# Altium PCB unisat_trx_board.PcbDoc (part 1 of 2)
Units mm, origin at the board's own origin, x right, y up, seen from the top; angles counter-clockwise.
Board outline 34.2 x 71.2 mm, 4 copper layers (Top Layer, Ground Plane, Power Plane, Bottom Layer), stack 0.97 mm thick; 102 components, 80 nets, 454 pads, 223 vias.
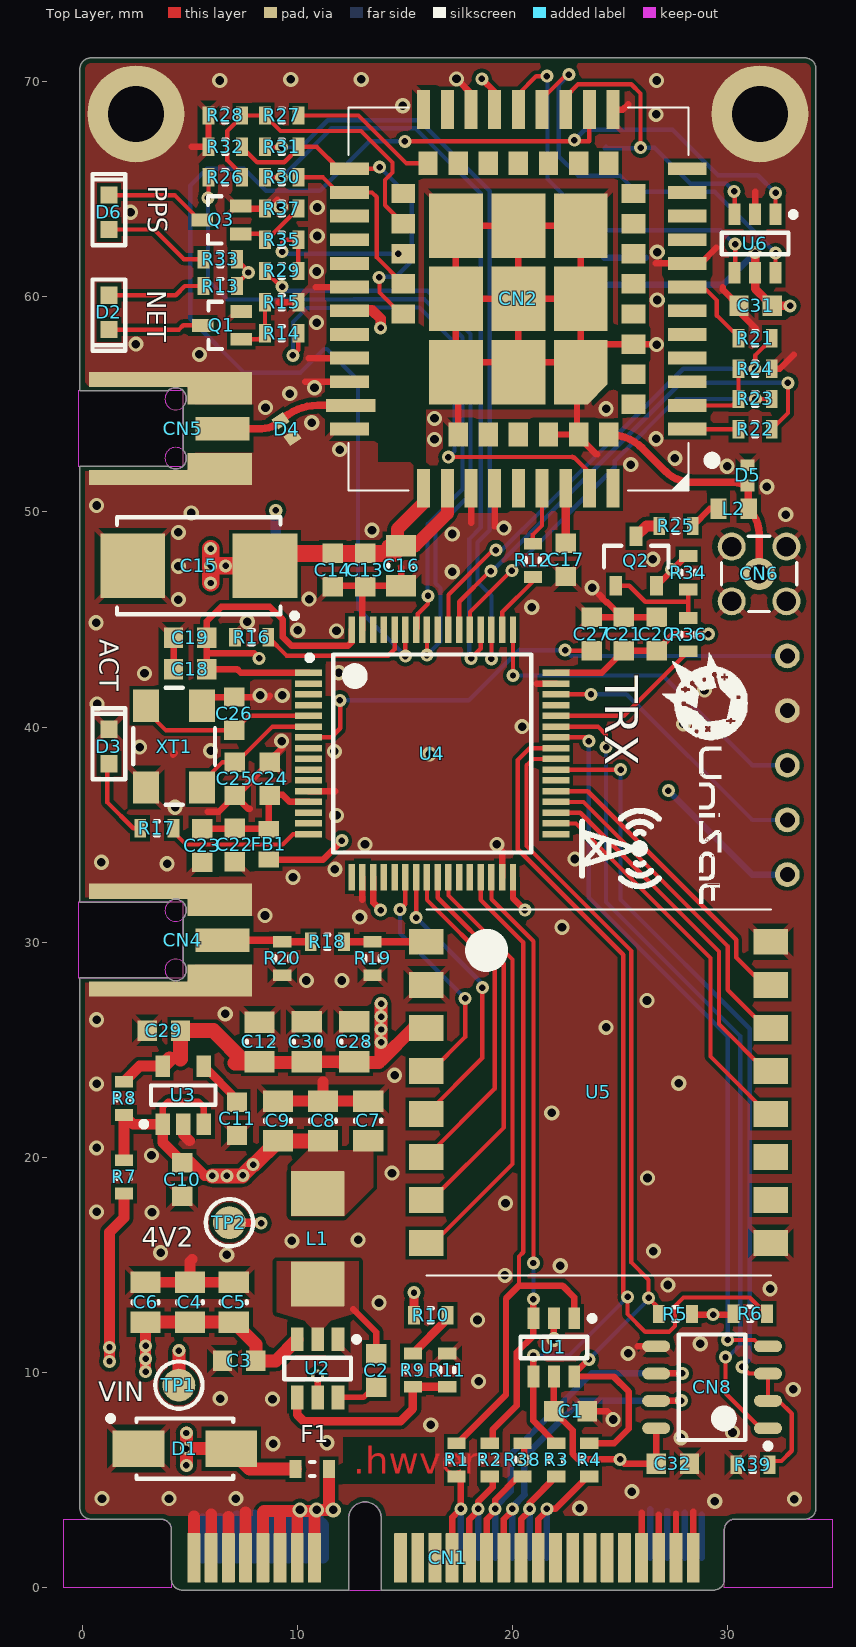
[diagram p0: Top Layer view]
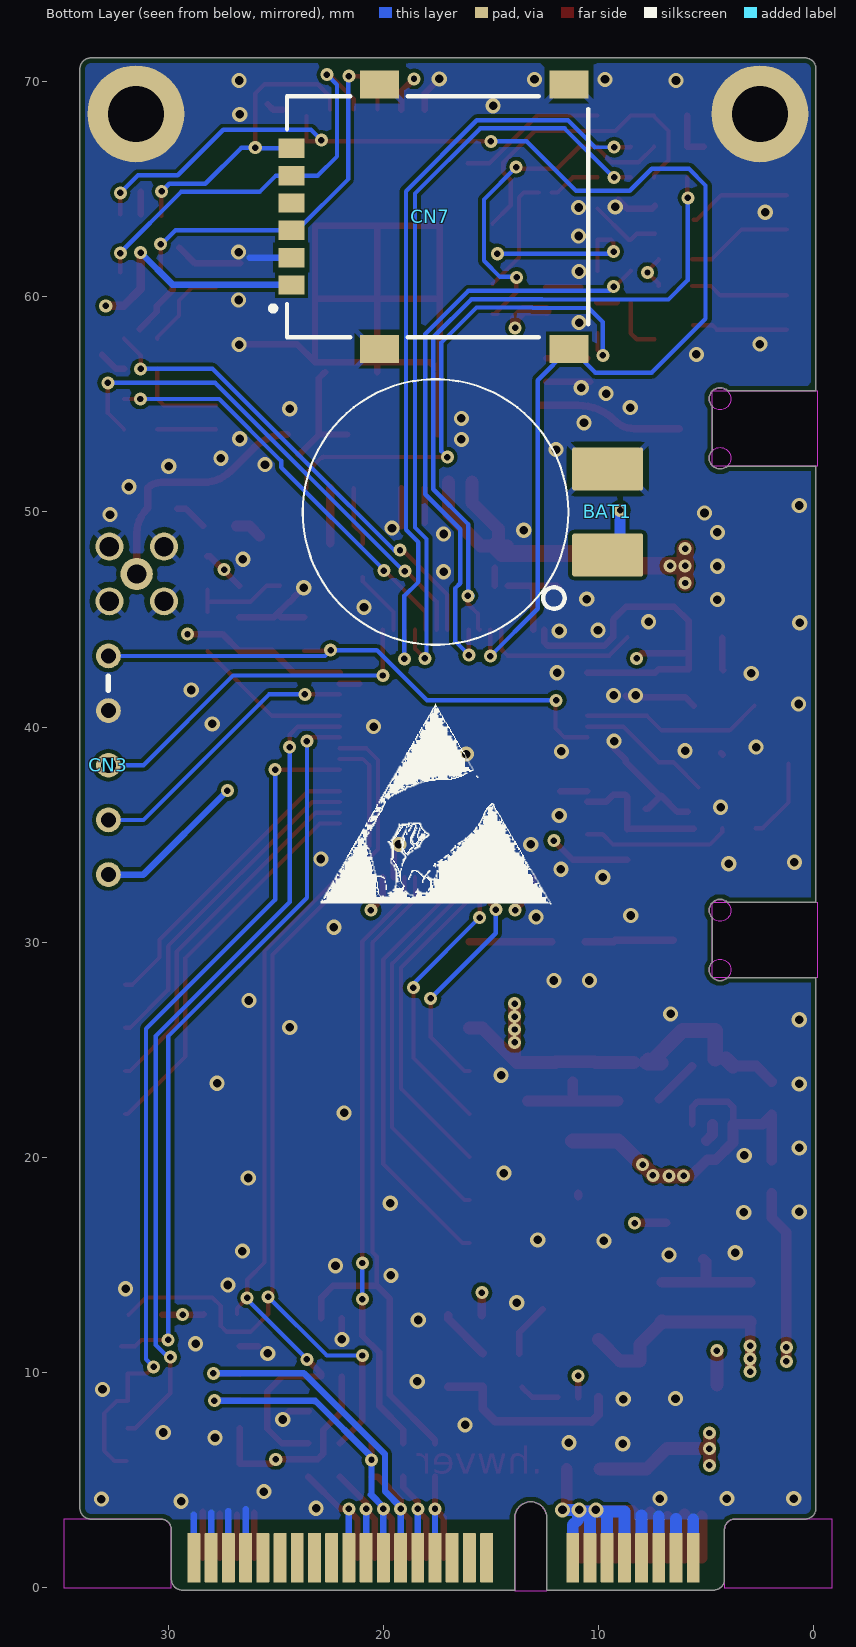
[diagram p1: Bottom Layer view, seen from below]
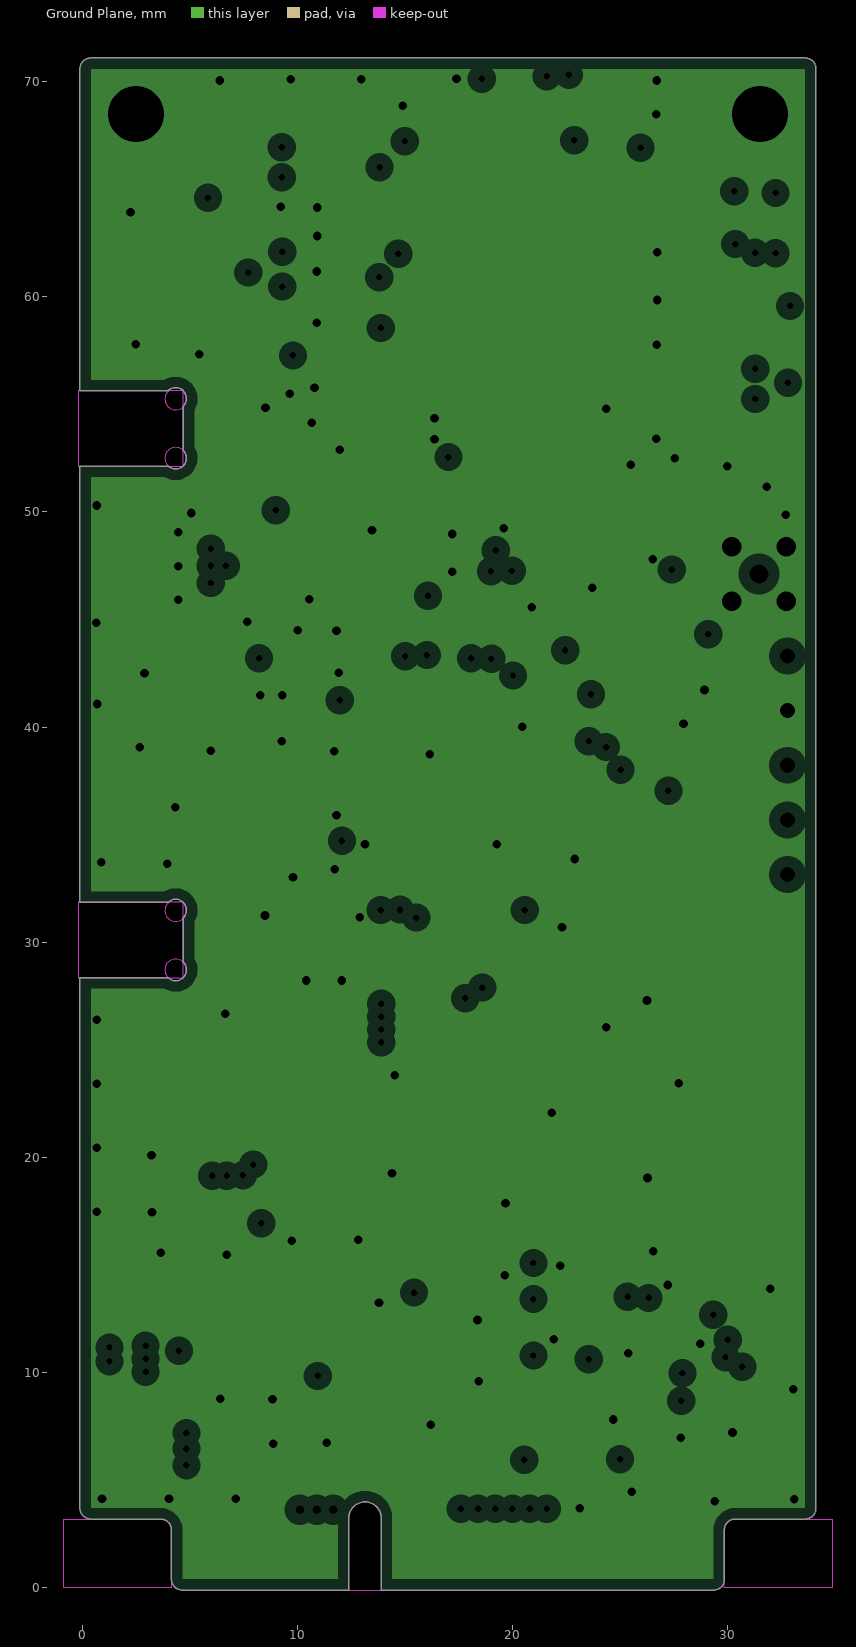
[diagram p2: Ground Plane, clearances drawn from the general rule]
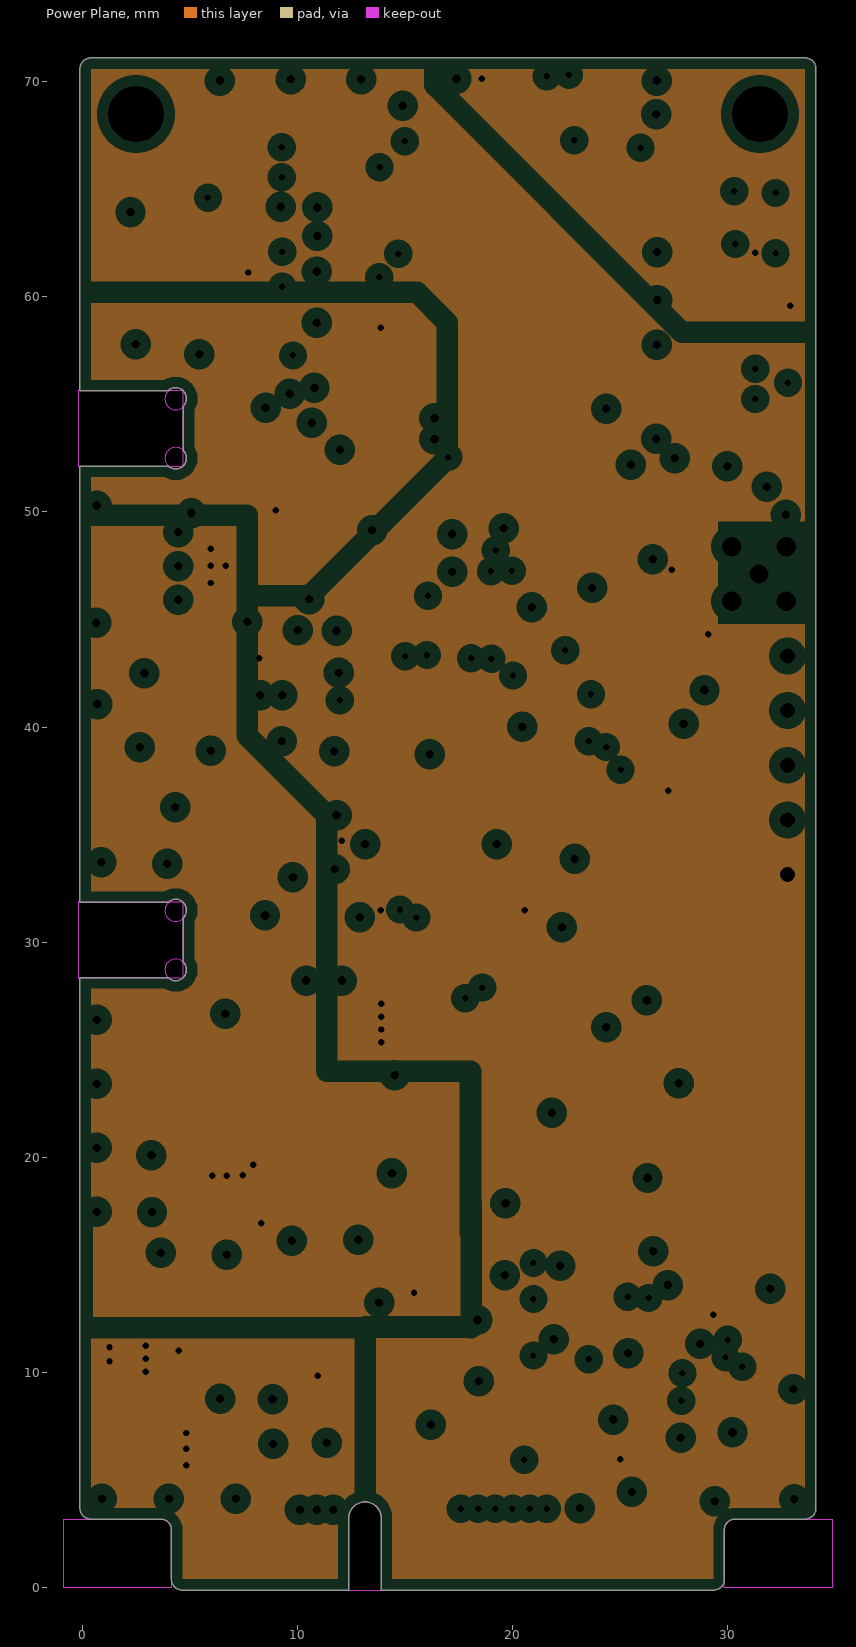
[diagram p3: Power Plane, clearances drawn from the general rule]
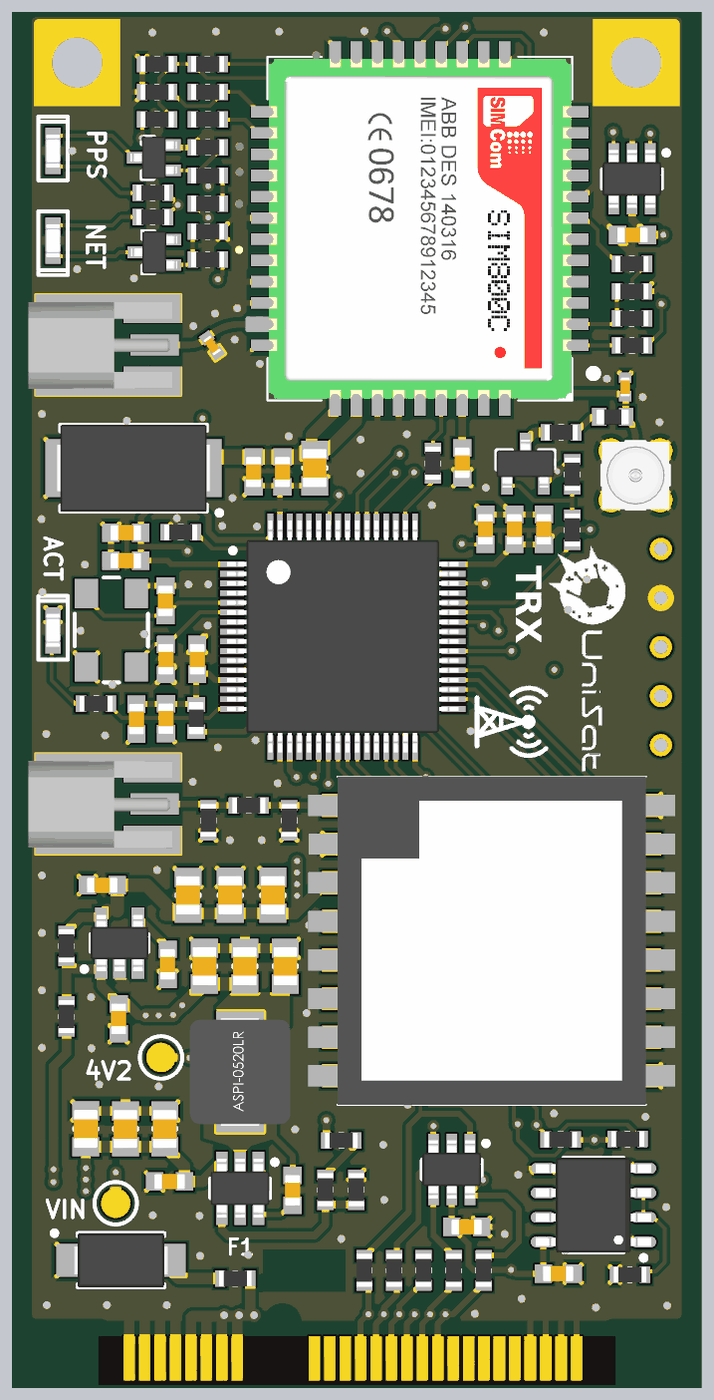
[diagram p5: 3D render of the assembled board from above, using the file's embedded part models]

## Layer stack, top to bottom
Top Solder: solder mask 0.0102, Solder Resist, Dk 3.5
Top Layer: signal copper 0.035
Dielectric 1: core 0.2, FR-4, Dk 4.6
Ground Plane: plane copper 0.0175, net GND
Dielectric 3: prepreg 0.465, Dk 4.6
Power Plane: plane copper 0.0175, net (Multiple Nets)
Dielectric 4: core 0.2, Dk 4.6
Bottom Layer: signal copper 0.035
Bottom Solder: solder mask 0.0102, Solder Resist, Dk 3.5

## Board outline
0.4,3.2 cw(c0.4,3.7) -0.1,3.7 -0.1,3.695 -0.1,28.357 4.012,28.357 4.067,28.301 4.251,28.225 4.449,28.225 4.633,28.301 4.688,28.357 4.705,28.373 4.774,28.442 4.85,28.626 4.85,28.825 4.774,29.009 4.705,29.077 4.705,31.147 4.774,31.216 4.85,31.4 4.85,31.599 4.774,31.783 4.705,31.852 4.7,31.857 4.633,31.923 4.449,31.999 4.251,31.999 4.067,31.923 4,31.857 -0.1,31.857 -0.1,52.132 4.012,52.132 4.067,52.076 4.251,52 4.449,52 4.633,52.076 4.688,52.132 4.705,52.148 4.774,52.217 4.85,52.401 4.85,52.6 4.774,52.783 4.705,52.852 4.705,54.922 4.774,54.991 4.85,55.175 4.85,55.374 4.774,55.558 4.705,55.627 4.7,55.632 4.633,55.698 4.449,55.774 4.251,55.774 4.067,55.698 4,55.632 -0.1,55.632 -0.1,70.6 cw(c0.4,70.6) 0.4,71.1 33.6,71.1 cw(c33.6,70.6) 34.1,70.6 34.1,3.7 cw(c33.6,3.7) 33.6,3.2 30.35,3.2 ccw(c30.35,2.7) 29.85,2.7 29.85,0.41 29.85,0.4 cw(c29.35,0.4) 29.35,-0.1 29.362,-0.1 13.9,-0.1 13.9,3.25 ccw(c13.15,3.25) 12.4,3.25 12.4,-0.1 4.67,-0.1 4.65,-0.1 cw(c4.65,0.4) 4.15,0.4 4.15,2.7 ccw(c3.65,2.7) 3.65,3.2

## Design rules (kind name [scope] priority, off if disabled: settings)
BoardOutlineClearance BoardOutlineClearance_RF_CONN [HasFootprint('MMCX_EDGE')] p1: gap=0.01
BoardOutlineClearance BoardOutlineClearance_RF_CONN_1 [IsTrack and OnLayer('Power Plane')] p2: gap=-1
BoardOutlineClearance BoardOutlineClearance_ALL [All] p3: gap=0.24
Clearance [InNetClass('RF50')] p1: gap=0.2
Clearance Clearance_MMCX [HasFootprint('MMCX_EDGE') vs IsRegion] p2: gap=0.05
Clearance Clearance_ALL [All] p3: gap=0.175
ComponentClearance ComponentClearance_RF_RES [InComponent('R19') OR InComponent('R20') vs InComponent('R19') OR InComponent('R20')] p1: gap=-1 collisioncheckmode=3 verticalgap=2540 showdistances=FALSE
ComponentClearance ComponentClearance_EDGE [InComponent('CN1') vs InComponent('D3') OR InComponent('U5') OR  HasFootprint('TestPoint_1M0') OR  InComponent('F1')] p2: gap=-1 collisioncheckmode=3 verticalgap=2540 showdistances=FALSE
ComponentClearance ComponentClearance_ALL [All] p3: gap=0.2 collisioncheckmode=3 verticalgap=0.3 showdistances=FALSE
HoleSize [All] p1: absolutevalues=TRUE maxlimit=6.2 minlimit=0.3 maxpercent=80.000 minpercent=20.000
MinimumAnnularRing [All] p1: minimumring=0.15
MinimumSolderMaskSliver [All] p1: minsoldermaskwidth=0.1
PlaneClearance [All] p1: clearance=0.508
PlaneConnect [All] p1: planeconnectstyle=Direct reliefexpansion=0.508 reliefentries=4 reliefconductorwidth=0.254 reliefairgap=0.254
PolygonConnect PolygonConnect_RF [InComponent('CN3') or InComponent('CN4') or InComponent('CN5') or InComponent('D4') vs InNet('GND')] p1: connectstyle=Direct reliefconductorwidth=0.254 reliefentries=4 polygonreliefangle="45 Angle" airgapwidth=0.254
PolygonConnect PolygonConnect_MNT [IsPad and (HoleSize > 2.5) vs InNet('GND')] p2: connectstyle=Direct reliefconductorwidth=0.254 reliefentries=4 polygonreliefangle="45 Angle" airgapwidth=0.254
PolygonConnect PolygonConnect_VIA [InNet('GND') AND IsVia] p3: connectstyle=Direct reliefconductorwidth=0.254 reliefentries=4 polygonreliefangle="45 Angle" airgapwidth=0.254
PolygonConnect PolygonConnect_VIA_1 [InNet('NETC2_1') OR InNet('+4V2')] p4: connectstyle=Direct reliefconductorwidth=0.254 reliefentries=4 polygonreliefangle="45 Angle" airgapwidth=0.254
PolygonConnect PolygonConnect_all [All] p5: connectstyle=Relief reliefconductorwidth=0.254 reliefentries=4 polygonreliefangle="45 Angle" airgapwidth=0.254
RoomDefinition SIM [InComponentClass('SIM')] p1 off: confinementstyle=ConfineIn formatcopy=TRUE lockcomponents=FALSE outline -8.925,-24.5 -6.425,-24.5 -6.425,-17.75 -8.925,-17.75
RoomDefinition RS [InComponentClass('RS')] p2 off: confinementstyle=ConfineIn formatcopy=TRUE lockcomponents=FALSE outline -5.675,-24.5 -3.175,-24.5 -3.175,-17.75 -5.675,-17.75
RoomDefinition RF [InComponentClass('RF')] p3 off: confinementstyle=ConfineIn formatcopy=TRUE lockcomponents=FALSE outline -12.175,-24.5 -9.675,-24.5 -9.675,-17.75 -12.175,-17.75
RoomDefinition PWR [InComponentClass('PWR')] p4 off: confinementstyle=ConfineIn formatcopy=TRUE lockcomponents=FALSE outline -18.675,-24.5 -15.925,-24.5 -15.925,-17.75 -18.675,-17.75
RoomDefinition MCU [InComponentClass('MCU')] p5 off: confinementstyle=ConfineIn formatcopy=TRUE lockcomponents=FALSE outline -15.425,-24.4 -12.675,-24.4 -12.675,-17.75 -15.425,-17.75
RoomDefinition 00_Main [InComponentClass('00_Main')] p6 off: confinementstyle=ConfineIn formatcopy=TRUE lockcomponents=FALSE outline -22.425,-24.5 -19.425,-24.5 -19.425,-17.75 -22.425,-17.75
RoutingVias [All] p1: holewidth=0.3 width=0.605 viastyle="Through Hole" minholewidth=0.3 minwidth=0.605 maxholewidth=2 maxwidth=1
SilkToSilkClearance SilkToSilkClearance_Text [All vs IsObjectKind('Text')] p1: silktosilkclearance=0.152
SilkToSilkClearance SilkToSilkClearance_1 [All] p2: silktosilkclearance=0
SilkToSolderMaskClearance [IsPad] p1: minsilkscreentomaskgap=0.152 clearancetoexposedcopper=TRUE
SolderMaskExpansion [All] p1: expansion=0.102
Width Width_RF [InNetClass('RF50')] p1: maxlimit=0.348 minlimit=0.348 preferedwidth=0.348
Width [All] p2: maxlimit=10 minlimit=0.152 preferedwidth=0.3
23 further rules are at their usual default settings.

## Classes and differential pairs
net class RF50: NetCN2_32 NetCN2_68 NetCN4_2 NetR18_1
component class SIM: C31 CN5 CN6 CN7 D4 D5 D6 L2 Q2 Q3 R21 R22 R23 R24 R25 R26 R27 R28 R29 R30 R31 R32 R33 R34 R35 R36 R37 U6
component class RS: C32 CN8 R38 R39
component class RF: C28 C29 C30 CN4 R18 R19 R20 U5
component class PWR: BAT1 C2 C3 C4 C5 C6 C7 C8 C9 C10 C11 C12 C13 C14 C15 C16 C17 C18 C19 C20 C21 C22 C23 C24 CN2 D2 FB1 L1 Q1 R7 R8 R9 R10 R11 R12 R13 R14 R15 TP1 TP2 U2 U3 U4
component class MCU: C25 C26 C27 CN3 D3 R16 R17 XT1
component class 00_Main: C1 CN1 D1 F1 R1 R2 R3 R4 R5 R6 U1

## Components (designator, comment, footprint, x,y, rotation, side; value= is the part's Value field where it differs from the comment)
BAT1 "17mAh" ML1220 17.575,50 r180 bottom locked
C1 "100n" C0603_IPC_MD 22.7,8.2 r0 top
C2 "100n" C0603_IPC_MD 13.675,10.1 r270 top
C3 "100n" C0603_IPC_MD 7.3,10.55 r180 top
C4 "10u" C0805_IPC_MD 5.01,13.275 r270 top
C5 "10u" C0805_IPC_MD 7.05,13.275 r270 top
C6 "22u" C0805_IPC_MD 2.95,13.279 r90 top
C7 "22u" C0805_IPC_MD 13.3,21.7 r90 top
C8 "22u" C0805_IPC_MD 11.2,21.7 r90 top
C9 "22u" C0805_IPC_MD 9.1,21.7 r90 top
C10 "100n" C0603_IPC_MD 4.65,18.975 r270 top
C11 "10n" C0603_IPC_MD 7.2,21.8 r90 top
C12 "10u" C0805_IPC_MD 8.25,25.371 r270 top
C13 "100n" C0603_IPC_MD 13.15,47.3 r90 top
C14 "100n" C0603_IPC_MD 11.65,47.3 r90 top
C15 "220u" TANT_CAP_7343 5.425,47.5 r180 top
C16 "22u" C0805_IPC_MD 14.825,47.5 r270 top
C17 "1u" C0603_IPC_MD 22.475,47.775 r90 top
C18 "100n" C0603_IPC_MD 5.025,42.7 r0 top
C19 "1u" C0603_IPC_MD 5.025,44.15 r0 top
C20 "100n" C0603_IPC_MD 26.7,44.325 r270 top
C21 "1u" C0603_IPC_MD 25.175,44.325 r270 top
C22 "100n" C0603_IPC_MD 7.102,34.525 r90 top
C23 "100n" C0603_IPC_MD 5.575,34.5 r90 top
C24 "1u" C0603_IPC_MD 8.725,37.6 r270 top
C25 "18p" C0603_IPC_MD 7.099,37.6 r90 top
C26 "18p" C0603_IPC_MD 7.075,40.625 r270 top
C27 "100n" C0603_IPC_MD 23.675,44.325 r270 top
C28 "22u" C0805_IPC_MD 12.65,25.375 r90 top
C29 "100n" C0603_IPC_MD 3.8,25.9 r180 top
C30 "22u" C0805_IPC_MD 10.44,25.375 r90 top
C31 "100n" C0603_IPC_MD 31.3,59.575 r0 top
C32 "100n" C0603_IPC_MD 27.45,5.775 r180 top
CN1 "*" PCI-E-MINI 13.15,0 r0 top locked
CN2 "SIM868" SIM868 20.275,59.9 r270 top locked
CN3 "SWD" SWD_CON_VAR2 32.775,43.31 r180 bottom
CN4 "MMCX" MMCX_EDGE 0.075,30.1 r0 top locked
CN5 "MMCX" MMCX_EDGE 0.075,53.875 r0 top
CN6 "MMCX VERT TH" MMCX_VERT_TH 31.46,47.12 r0 top locked
CN7 "SNO-1305-B" SNO-1305-B 17.475,63.725 r90 bottom locked
CN8 "ST1480ABDR" SOIC-8 29.275,9.325 r180 top
D1 "824501121" DIOM4227X25N 4.775,6.475 r0 top
D2 "LTST-C190GKT" LED_0603 1.25,59.275 r90 top
D3 "LTST-C190GKT" LED_0603 1.25,39.1 r270 top
D4 "LXES15AAA1-153" C0402_IPC_MD 9.5,53.85 r125 top
D5 "LXES15AAA1-153" C0402_IPC_MD 30.925,51.7 r270 top
D6 "LTST-C190GKT" LED_0603 1.25,63.925 r270 top
F1 "1A" R0603_IPC_MD 10.7,5.525 r180 top
FB1 "MH1608-601Y" L0603_IPC_MD 8.675,34.55 r90 top
L1 "2.2uH" ASPI-0520LR 10.95,16.225 r90 top
L2 "27nH" L0603_IPC_MD 30.275,50.15 r0 top
Q1 "BSS816NW" SOT323 6.5,58.675 r180 top
Q2 "DMG2305UX-13" SOT23 25.75,47.725 r90 top
Q3 "BSS816NW" SOT323 6.475,63.575 r180 top
R1 "120R" R0603_IPC_MD 17.4,5.95 r90 top
R2 "120R" R0603_IPC_MD 18.944,5.95 r90 top
R3 "120R" R0603_IPC_MD 22.031,5.95 r90 top
R4 "120R" R0603_IPC_MD 23.575,5.95 r90 top
R5 "10.0k" R0603_IPC_MD 27.575,12.725 r0 top
R6 "10.0k" R0603_IPC_MD 31.05,12.747 r180 top
R7 "0R" R0603_IPC_MD 1.95,19.1 r90 top
R8 "0R" R0603_IPC_MD 1.95,22.75 r90 top
R9 "22.1k" R0603_IPC_MD 15.375,10.125 r90 top
R10 "22.1k" R0603_IPC_MD 16.2,12.675 r180 top
R11 "10.0k" R0603_IPC_MD 16.975,10.125 r270 top
R12 "120R" R0603_IPC_MD 20.95,47.75 r90 top
R13 "330R" R0603_IPC_MD 6.425,60.5 r0 top
R14 "330R" R0603_IPC_MD 9.275,58.3 r0 top
R15 "100k" R0603_IPC_MD 9.275,59.75 r180 top
R16 "100k" R0603_IPC_MD 7.875,44.175 r0 top
R17 "330R" R0603_IPC_MD 3.475,35.3 r180 top
R18 "0R" R0603_IPC_MD 11.4,30.025 r180 top
R19 "0R" R0603_IPC_MD 13.5,29.25 r90 top
R20 "0R" R0603_IPC_MD 9.3,29.25 r90 top
R21 "1k" R0603_IPC_MD 31.275,58.075 r180 top
R22 "1k" R0603_IPC_MD 31.275,53.85 r180 top
R23 "1k" R0603_IPC_MD 31.275,55.25 r180 top
R24 "5.62k" R0603_IPC_MD 31.275,56.65 r180 top
R25 "10R" R0603_IPC_MD 27.6,49.35 r180 top
R26 "1k" R0603_IPC_MD 6.65,65.55 r0 top
R27 "5.62k" R0603_IPC_MD 9.275,68.425 r0 top
R28 "5.62k" R0603_IPC_MD 6.65,68.425 r0 top
R29 "1k" R0603_IPC_MD 9.275,61.2 r0 top
R30 "1k" R0603_IPC_MD 9.275,65.55 r0 top
R31 "1k" R0603_IPC_MD 9.275,66.975 r0 top
R32 "5.62k" R0603_IPC_MD 6.65,66.975 r0 top
R33 "330R" R0603_IPC_MD 6.425,61.75 r0 top
R34 "100k" R0603_IPC_MD 28.175,47.175 r90 top
R35 "330R" R0603_IPC_MD 9.275,62.65 r0 top
R36 "330R" R0603_IPC_MD 28.175,44.3 r90 top
R37 "100k" R0603_IPC_MD 9.275,64.1 r0 top
R38 "120R" R0603_IPC_MD 20.465,5.95 r270 top
R39 "100k" R0603_IPC_MD 31.175,5.725 r0 top
TP1 "VIN" TestPoint_1M5 4.5,9.425 r0 top
TP2 "4V2" TestPoint_1M5 6.85,16.975 r0 top
U1 "TPD4E001DBVR" SOT23-6 21.925,11.175 r270 top
U2 "TPS565201DDCR" SOT23-6_(TI) 10.95,10.2 r270 top
U3 "MIC5219-3.3YM5-TR" SOT23-5_(MT) 4.7,22.9 r90 top
U4 "STM32L073RZT6" LQFP64_10X10MM 16.275,38.775 r0 top locked
U5 "RA-01" RA-01 24,23.025 r0 top locked
U6 "TPD4E001DBVR" SOT23-6 31.275,62.475 r270 top
XT1 "8 MHz" 5.0X3.2_4PAD_SMT 4.275,39.1 r90 top

## Footprints (in the part's own frame and the unit in brackets; to place one, negate y for a bottom-side part, rotate by r counter-clockwise, add the part's x,y. Pads: shape width x height; smd on the part's side, far side on the other; paste and mask are expansions set on the pad)
5.0X3.2_4PAD_SMT [mm] "5.0mm x 3.2mm Oscillator"
  rect 1.5x1.2 smd paste+0: 1(-1.9,-1.3) 2(1.9,-1.3) 3(1.9,1.3) 4(-1.9,1.3)
  silkscreen extent -2.7,-1.9 2.73,1.9, body extent -2.55,-1.65 2.55,1.65, height 1.5
ASPI-0520LR [mm] "Unshielded Molded Inductor 5.6x5.2x2.2mm Nonstandard"
  rrect5% 2.1x2.5 smd: 1(-2.1,0) 2(2.1,0)
  body extent -2.8,-2.6 2.8,2.6, height 2
C0402_IPC_MD [mm] "Chip Capacitor, 2-Leads, Body 1,00x0,50mm, IPC Medium Density"
  rect 0.55x0.64 smd: 1(-0.475,0) 2(0.475,0)
  body extent -0.5,-0.25 0.5,0.25, height 0.5
C0603_IPC_MD [mm] "Chip Capacitor, 2-Leads, Body 1,60x0,80mm, IPC Medium Density"
  rect 0.9x0.95 smd: 1(-0.775,0) 2(0.775,0)
  body extent -0.8,-0.4 0.8,0.4, height 0.8
C0805_IPC_MD [mm] "Chip Capacitor, 2-Leads, Body 2,00x1,25mm, IPC Medium Density"
  rect 1x1.4 smd: 1(-0.925,0) 2(0.925,0)
  silkscreen extent -0.05,-0.6 0.05,0.6, body extent -1,-0.63 1,0.63, height 1.25
DIOM4227X25N [mm] "Molded Diode, 2-Leads, Body 4,24x2,67mm, IPC Medium Density"
  rect 2.4x1.7 smd: 1(-2.15,0) 2(2.15,0)
  silkscreen extent -3.57,-1.4 2.25,1.52, body extent -2.47,-1.4 2.47,1.4, height 2.5
L0603_IPC_MD [mm] "Chip Inductor, 2-Leads, Body 1,60x0,80mm, IPC Medium Density"
  rect 0.75x0.94 smd: 1(-0.705,0) 2(0.705,0)
  body extent -0.85,-0.4 0.85,0.4, height 0.8
LED_0603 [mm]
  rect 0.8x0.8 smd: 1(-0.8,0) 2(0.8,0)
  silkscreen extent -1.78,-0.76 1.52,0.76, body extent -0.85,-0.4 0.85,0.4, height 0.66
LQFP64_10X10MM [mm] "LQFP, 64-Leads, Body 10,00x10,00mm, Pitch 0,50mm, IPC Medium Density"
  rect 1.25x0.3 smd: 1(-5.75,3.75) 2(-5.75,3.25) 3(-5.75,2.75) 4(-5.75,2.25) 5(-5.75,1.75) 6(-5.75,1.25) 7(-5.75,0.75) 8(-5.75,0.25) 9(-5.75,-0.25) 10(-5.75,-0.75) 11(-5.75,-1.25) 12(-5.75,-1.75) 13(-5.75,-2.25) 14(-5.75,-2.75) 15(-5.75,-3.25) 16(-5.75,-3.75) 33(5.75,-3.75) 34(5.75,-3.25) 35(5.75,-2.75) 36(5.75,-2.25) 37(5.75,-1.75) 38(5.75,-1.25) 39(5.75,-0.75) 40(5.75,-0.25) 41(5.75,0.25) 42(5.75,0.75) 43(5.75,1.25) 44(5.75,1.75) 45(5.75,2.25) 46(5.75,2.75) 47(5.75,3.25) 48(5.75,3.75)
  rect 0.3x1.25 smd: 17(-3.75,-5.75) 18(-3.25,-5.75) 19(-2.75,-5.75) 20(-2.25,-5.75) 21(-1.75,-5.75) 22(-1.25,-5.75) 23(-0.75,-5.75) 24(-0.25,-5.75) 25(0.25,-5.75) 26(0.75,-5.75) 27(1.25,-5.75) 28(1.75,-5.75) 29(2.25,-5.75) 30(2.75,-5.75) 31(3.25,-5.75) 32(3.75,-5.75) 49(3.75,5.75) 50(3.25,5.75) 51(2.75,5.75) 52(2.25,5.75) 53(1.75,5.75) 54(1.25,5.75) 55(0.75,5.75) 56(0.25,5.75) 57(-0.25,5.75) 58(-0.75,5.75) 59(-1.25,5.75) 60(-1.75,5.75) 61(-2.25,5.75) 62(-2.75,5.75) 63(-3.25,5.75) 64(-3.75,5.75)
  silkscreen extent -5.82,-4.6 4.6,4.6, body extent -6,-6 6,6, height 1.6
ML1220 [mm]
  rrect10% 3.3x2 smd paste-5: 1(8,-2) 2(8,2)
  silkscreen extent -6.17,-6.17 6.17,6.17, body extent -6.25,-6.25 6.25,6.25, height 2.1
MMCX_EDGE [mm]
  rect 5x0.7 smd mask+0.051: 1(2.75,-2.275) 1(2.75,2.275)
  rect 3x1.5 smd mask+0.051: 1(6.325,-1.875) 1(6.325,1.875)
  rect 2.5x1.1 smd mask+0.051: 2(6.45,0)
  Keep-Out Layer board cut-out: -0.25,1.757 -0.25,-1.743 4.63,-1.743 4.63,1.757 4.33,1.757
  Keep-Out Layer board cut-out: 3.775,-1.375 3.813,-1.566 3.921,-1.728 4.084,-1.837 4.275,-1.875 4.275,-1.875 4.466,-1.837 4.629,-1.728 4.737,-1.566 4.775,-1.375 4.775,-1.375 4.737,-1.183 4.629,-1.021 4.466,-0.913 4.275,-0.875 4.275,-0.875 4.084,-0.913 3.921,-1.021 3.813,-1.183 3.775,-1.375
  Keep-Out Layer board cut-out: 3.775,1.374 3.813,1.183 3.921,1.021 4.084,0.913 4.275,0.874 4.275,0.874 4.466,0.913 4.629,1.021 4.737,1.183 4.775,1.374 4.775,1.374 4.737,1.566 4.629,1.728 4.466,1.836 4.275,1.874 4.275,1.874 4.084,1.836 3.921,1.728 3.813,1.566 3.775,1.374
  body extent -0.09,-2.27 7.35,2.23, height 2.1
MMCX_VERT_TH [mm]
  round 1.3 hole 0.9 mask+0.051: 1(-1.27,-1.27) 1(-1.27,1.27) 1(1.27,-1.27) 1(1.27,1.27)
  round 1.5 hole 0.9 mask+0.051: 2(0,0)
  silkscreen extent -1.75,-1.75 1.75,1.75, body extent -1.75,-1.76 1.75,1.75, height 4.45
PCI-E-MINI [mm]
  rrect10% 0.6x2.3 smd paste-2: 1(-7.95,1.4) 3(-7.15,1.4) 5(-6.35,1.4) 7(-5.55,1.4) 9(-4.75,1.4) 11(-3.95,1.4) 13(-3.15,1.4) 15(-2.35,1.4) 17(1.65,1.4) 19(2.45,1.4) 21(3.25,1.4) 23(4.05,1.4) 25(4.85,1.4) 27(5.65,1.4) 29(6.45,1.4) 31(7.25,1.4) 33(8.05,1.4) 35(8.85,1.4) 37(9.65,1.4) 39(10.45,1.4) 41(11.25,1.4) 43(12.05,1.4) 45(12.85,1.4) 47(13.65,1.4) 49(14.45,1.4) 51(15.25,1.4)
  rrect10% 0.6x2.3 smd far side paste-2: 2(-7.55,1.4) 4(-6.75,1.4) 6(-5.95,1.4) 8(-5.15,1.4) 10(-4.35,1.4) 12(-3.55,1.4) 14(-2.75,1.4) 16(-1.95,1.4) 18(2.05,1.4) 20(2.85,1.4) 22(3.65,1.4) 24(4.45,1.4) 26(5.25,1.4) 28(6.05,1.4) 30(6.85,1.4) 32(7.65,1.4) 34(8.45,1.4) 36(9.25,1.4) 38(10.05,1.4) 40(10.85,1.4) 42(11.65,1.4) 44(12.45,1.4) 46(13.25,1.4) 48(14.05,1.4) 50(14.85,1.4) 52(15.65,1.4)
  Keep-Out Layer board cut-out: -0.75,-0.125 -0.75,3.25 -0.676,3.575 -0.468,3.836 -0.167,3.981 0.167,3.981 0.468,3.836 0.676,3.575 0.75,3.25 0.75,3.25 0.75,-0.125
  Keep-Out Layer board cut-out: 16.7,0 16.7,2.7 16.738,2.891 16.846,3.054 17.009,3.162 17.2,3.2 17.2,3.2 21.7,3.2 21.7,0
  Keep-Out Layer board cut-out: -14,0 -14,3.2 -9.5,3.2 -9.309,3.162 -9.146,3.054 -9.038,2.891 -9,2.7 -9,2.7 -9,0
R0603_IPC_MD [mm] "Chip Resistor, 2-Leads, Body 1,60x0,80mm, IPC Medium Density"
  rect 0.55x0.85 smd: 1(-0.775,0) 2(0.775,0)
  silkscreen extent -0.1,-0.33 0.1,0.33, body extent -0.85,-0.4 0.85,0.4, height 0.45
RA-01 [mm] "RF MODULE"
  rect 1.6x1.2 smd paste-2: 1(-8,7) 2(-8,5) 3(-8,3) 4(-8,1) 5(-8,-1) 6(-8,-3) 7(-8,-5) 8(-8,-7) 9(8,-7) 10(8,-5) 11(8,-3) 12(8,-1) 13(8,1) 14(8,3) 15(8,5) 16(8,7)
  silkscreen extent -8,-8.5 8,8.5, body extent -8,-8.5 8,8.5, height 2.6
SIM868 [mm]
  rect 0.6x1.8 smd mask+0.051: 1(6.05,7.85) 2(4.95,7.85) 3(3.85,7.85) 4(2.75,7.85) 5(1.65,7.85) 6(0.55,7.85) 7(-0.55,7.85) 8(-1.65,7.85) 9(-2.75,7.85) 10(-3.85,7.85) 11(-4.95,7.85) 12(-6.05,7.85) 22(-6.05,-7.85) 23(-4.95,-7.85) 24(-3.85,-7.85) 25(-2.75,-7.85) 26(-1.65,-7.85) 27(-0.55,-7.85) 28(0.55,-7.85) 29(1.65,-7.85) 30(2.75,-7.85) 31(3.85,-7.85) 33(6.05,-7.85)
  rect 1.8x0.6 smd mask+0.051: 13(-8.8,4.4) 14(-8.8,3.3) 15(-8.8,2.2) 16(-8.8,1.1) 17(-8.8,0) 18(-8.8,-1.1) 19(-8.8,-2.2) 20(-8.8,-3.3) 21(-8.8,-4.4) 34(8.8,-4.4) 35(8.8,-3.3) 36(8.8,-2.2) 37(8.8,-1.1) 38(8.8,0) 39(8.8,1.1) 40(8.8,2.2) 41(8.8,3.3) 42(8.8,4.4)
  rect 0.6x2.3 smd paste+0.1 mask+0.051: 32(4.95,-7.8)
  rect 0.9x1.1 smd paste-0.08 mask+0.051: 43(4.9,5.35) 44(3.5,5.35) 45(2.1,5.35) 46(0.7,5.35) 47(-0.7,5.35) 48(-2.1,5.35) 49(-3.5,5.35) 50(-4.9,5.35) 58(-4.9,-5.35) 59(-3.5,-5.35) 60(-2.1,-5.35) 61(-0.7,-5.35) 62(0.7,-5.35)
  rect 1.1x0.9 smd paste-0.08 mask+0.051: 51(-6.3,4.2) 52(-6.3,2.8) 53(-6.3,1.4) 54(-6.3,0) 55(-6.3,-1.4) 56(-6.3,-2.8) 57(-6.3,-4.2) 63(6.3,-2.8) 64(6.3,-1.4) 65(6.3,0) 66(6.3,1.4) 67(6.3,2.8)
  rect 1.1x0.9 smd paste+0 mask+0.051: 68(6.3,4.2)
  rect 3x2.5 smd paste-10 mask+0.075: PAD(-3.4,2.9) PAD(-3.4,0) PAD(-3.4,-2.9) PAD(0,2.9) PAD(0,0) PAD(0,-2.9) PAD(3.4,0) PAD(3.4,-2.9)
  rect 2.07x2.5 smd paste-10 mask+0.075: PAD(2.935,2.9)
  rect 3x1.57 smd paste-10 mask+0.075: PAD(3.4,2.435)
  rect 1x1.32 smd rot 45 paste-10 mask+0: PAD(4.082,3.33)
  rect 1x1.2 smd rot 45 paste-10 mask+0.075: PAD(4.082,3.33)
  Top Layer pour cut-out: 1.46,-6.54 7.59,-6.54 7.59,-4.27 1.46,-4.27
  silkscreen extent -8.9,-7.9 8.9,9.2, body extent -8.8,-7.84 8.8,7.86, height 2.43
SNO-1305-B [mm]
  rect 0.9x1.2 smd: C1(-3.175,6.8) C2(-0.635,6.8) C3(1.905,6.8) C5(-1.905,6.8) C6(0.635,6.8) C7(3.175,6.8)
  rect 1.3x1.8 smd: S1(-6.15,2.7) S2(6.15,2.7) S3(6.15,-6.1) SW(-6.15,-6.1)
  silkscreen extent -5.6,-7 5.6,7.77, body extent -6.2,-7.03 6.2,7.07, height 1.4
SOIC-8 [mm] "SOIC, 8-Leads, Body 4.93x3.94mm, Pitch 1.27mm, IPC High Density"
  oval 1.3x0.55 smd: 1(-2.6,1.905) 2(-2.6,0.635) 3(-2.6,-0.635) 4(-2.6,-1.905) 5(2.6,-1.905) 6(2.6,-0.635) 7(2.6,0.635) 8(2.6,1.905)
  silkscreen extent -2.73,-2.45 1.55,2.85, body extent -3,-2.45 3,2.45, height 1.63
SOT23 [mm] "SOT23, 3-Leads, Body 2,90x2,30mm, Pitch 0,95mm, IPC Medium Density"
  rect 0.9x0.6 smd: 1(-1.15,0.95) 2(-1.15,-0.95) 3(1.15,0)
  silkscreen extent -0.3,-1.5 0.7,1.5, body extent -1.25,-1.5 1.25,1.5, height 1.1
SOT23-5_(MT) [mm] "SOT23, 5-Leads, Body 2,90x2,80mm, Pitch 0,95mm, IPC Medium Density"
  rect 1x0.66 smd mask+0.051: 1(-1.35,0.95) 2(-1.35,0) 3(-1.35,-0.95) 4(1.35,-0.95) 5(1.35,0.95)
  silkscreen extent -1.47,-1.5 0.45,1.95, body extent -1.45,-1.5 1.45,1.5, height 1.45
SOT23-6 [mm] "SOT23, 6-Leads, Body 2,90x2,80mm, Pitch 0,95mm, IPC Medium Density"
  rect 1x0.55 smd: 1(-1.35,0.95) 2(-1.35,0) 3(-1.35,-0.95) 4(1.35,-0.95) 5(1.35,0) 6(1.35,0.95)
  silkscreen extent -1.47,-1.55 0.5,1.9, body extent -1.5,-1.53 1.5,1.53, height 1.45
SOT23-6_(TI) [mm] "SOT23, 6-Leads, Body 2,90x2,80mm, Pitch 0,95mm, IPC Medium Density"
  rect 1.1x0.6 smd: 1(-1.35,0.95) 2(-1.35,0) 3(-1.35,-0.95) 4(1.35,-0.95) 5(1.35,0) 6(1.35,0.95)
  silkscreen extent -1.47,-1.55 0.5,1.93, body extent -1.53,-1.53 1.53,1.53, height 1.1
SOT323 [mm] "SOT23, 3-Leads, Body 2.00x2.10mm, Pitch 0.65mm, IPC High Density"
  rect 1x0.6 smd: 1(-0.9,0.65) 2(-0.9,-0.65) 3(0.9,0)
  silkscreen extent 0,-1.1 0.63,1.1, body extent -1.2,-1.1 1.2,1.1, height 1
SWD_CON_VAR2 [mm] "Variant 1"
  round 1.15 hole 0.7: 1(0,0) 2(0,-2.54) 3(0,-5.08) 4(0,-7.62) 5(0,-10.16)
  silkscreen extent 0,-1.6 0,-0.95
TANT_CAP_7343 [mm] "Molded Capacitor, 2-Leads, Body 7,30x4,30mm, IPC Medium Density"
  rect 3x3 smd: 1(-3.075,0) 2(3.075,0)
  silkscreen extent -4.58,-2.25 3.8,2.45, body extent -4.02,-2.25 4.02,2.25, height 2
TestPoint_1M5 [mil] "Test Point d=1.5mm"
  round 60 smd paste-393.7: 0(0,0)
  silkscreen extent -43,-43 43,43

## Part data
BAT1: library part ML1220, "BATT LITH 3V 17MAH COIN 12.5MM"
C1 C13 C14 C18 C20 C22 C23 C27 C29 C31 C32: library part CL10B104KO8WPNC, "CAP CER 0.1UF 16V X7R 0603"
C2 C3 C10: library part CL10B104KO8NNNC, "CAP CER 0.1UF 16V X7R 0603"
C4 C5 C12: library part CL21B106KOQNNNG, "CAP CER 10UF 16V X7R 0805"
C6 C7 C8 C9 C16 C28 C30: library part CL21A226MOCLRNC, "CAP CER 22UF 16V X5R 0805"
C11: library part CL10B103KB8NNNC, "CAP CER 0.01UF 50V X7R 0603"
C15: library part 6TPE220MI, "Tantalum Capacitors 220uF 6.3V CASE-D_7343 RoHS"
C17 C19 C21 C24: library part CL10B105MO8NNWC, "CAP CER 1UF 16V X7R 0603"
C25 C26: library part CL10C180JB8NNNC, "CAP CER 18PF 50V C0G/NP0 0603"
CN1: library part ALAFASAT_TRX_EDGE_CONN, "EDGE CONN PCI EXP MINI 52POS"
CN2: "GSM & GPRS & GPS Modules PCBModule RoHS"
CN3: library part SWD-CONNECTOR_VAR1, "SWDIO SWCLK VDD GND NRST"
CN4 CN5: "MMCX PCB EDGE CONN"
CN6: library part MMCX_VERT, "MMCX PCB TH VERT CONN"
CN7: "Hinged Sim Card Connector. With 6 contacts, with switch for card detection. Profile above PCB is 1.43mm."
CN8: "IC TXRX 3.3V RS485/422 8 SOIC"
D1: library part 824501121_TVS, "TVS DIODE 12V 19.9V DO214AC"
D2 D3 D6: "LED GREEN CLEAR CHIP SMD 0603"
D4 D5: "TVS DIODE 4V 0402"
F1: library part MFU0603FF01000P500, "FUSE BOARD MOUNT 1A 32VDC 0603"
FB1: "FERRITE BEAD 600R@100MHz 0603 for Power Line, 1000mA"
L1: library part ASPI-0520LR-2R2M-T2, "FIXED IND 2.2UH 5.5A 36 MOHM SMD"
L2: library part LQW18AN27NJ00D, "27nH Unshielded Wirewound Inductor 440mA 210mOhm Max 0603 (1608 Metric)"
Q1 Q3: library part BSS816, "N-Channel Logic Level Enhancement Mode Field Effect Transistor"
Q2: library part DMG2305, "MOSFET P-CH 20V 4.2A SOT23"
R1 R2 R3 R4 R12 R38: library part RC0603JR-07120RL, "RES SMD 120 OHM 5% 1/10W 0603"
R5 R6 R11: library part RMCF0603FT10K0, "RES 10K OHM 1% 1/10W 0603"
R7 R8 R18 R19 R20: library part CR0603-J/-000ELF, "RES SMD 0 OHM JUMPER 1/10W 0603"
R9 R10: library part RC0603FR-0722K1L, "RES SMD 22.1K OHM 1% 1/10W 0603"
R13 R14 R17 R33 R35 R36: library part CR0603-JW-331ELF, "RES SMD 330 OHM 5% 1/10W 0603"
R15 R16 R34 R37 R39: library part RMCF0603FT100K, "RES 100K OHM 1% 1/10W 0603"
R21 R22 R23 R26 R29 R30 R31: library part CR0603-JW-102ELF, "RES SMD 1K OHM 5% 1/10W 0603"
R24 R27 R28 R32: library part CR0603-JW-5.62kR, "RES 5.62K OHM 1% 1/10W 0603"
R25: library part CR0603-FX-10R0ELF, "RES SMD 10 OHM 1% 1/10W 0603"
TP1 TP2: library part TP, "Test Point"
U1 U6: "4x TVS DIODE 5.5V SOT23-6"
U2: "Buck Switching Regulator IC Positive Adjustable 0.76V 1 Output 5A SOT-23-6 Thin, TSOT-23-6"
U3: "IC REG LINEAR 3.3V 500MA SOT23-5"
U4: "Ultra-low-power 32-bit MCU ARM®-based Cortex®-M0+"
U5: "Wireless Modules SX1278"
XT1: library part ABM3B-8.000MHZ-10-1-U-T, "8MHz ±10ppm Crystal 10pF 200 Ohms 4-SMD, No Lead"

## Free pads (board coordinates)
  round 4.5 hole 2.6 mask+0: 1(2.5,68.5) 1(31.5,68.5)

## Via types
v1: diameter 0.705, hole 0.4, Top Layer to Bottom Layer, tented both sides, 125 vias
v2: diameter 0.605, hole 0.3, Top Layer to Bottom Layer, tented both sides, 97 vias
v3: diameter 0.605, hole 0.3, Top Layer to Bottom Layer, tented bottom, 1 vias

## Nets (pads, with @x,y where several pads share a name; then routed paths per layer and width w, separated by ;. In a path a pad name is that pad's centre, name@x,y a point inside that pad or via, vN(x,y) a via of type N, cw(c..) or ccw(c..) an arc to the next point about the centre after c; other vN are vias at no path point)
+2V8: C17.2 CN2.40 | length 2.5
  Top Layer w0.4: C17.2@22.475,48.55 CN2.40@22.475,51.1
+3V3: C1.1 C12.2 C18.2 C19.2 C20.2 C21.2 C28.1 C29.1 C30.1 C32.2 CN3.5 CN8.8 FB1.1 Q2.2 R5.2 R6.2 R8.2 R13.2 R33.2 R34.2 U1.5 U3.5 U4.1 U4.19 U4.32 U4.48 U4.64 U5.3 | length 75.2
  Top Layer w0.2: R13.2@7.2,60.5 7.2,60.603 v2(7.725,61.128) 7.725,61.2 7.2,61.725 R33.2@7.2,61.75
  Top Layer w0.3: C18.2@5.8,42.7 7.2,42.7 7.375,42.525 U4.1@10.525,42.525 ; C18.2@5.8,42.75 5.8,43.45 ; v2(8.225,43.2) 8,43.425 5.825,43.425 5.8,43.45 ; FB1.1@8.675,33.845 11.195,33.845 v2(12.075,34.725) ; C28.1@12,24.425 C28.1@12,24.45 ; U4.64@12.525,44.525 12.525,43.95 12.35,43.775 9.738,43.775 9.325,44.188 9.325,45 8.725,45.6 6.475,45.6 5.8,44.925 C19.2@5.8,44.15 5.8,43.45 ; U4.19@13.525,33.025 13.525,31.85 v2(13.875,31.5) ; U4.32@20.025,33.025 20.025,32.05 v2(20.575,31.5) ; U1.5@21.925,9.825 C1.1@21.925,8.2 22.8,7.325 22.8,6.225 23.05,5.975 v2(25,5.975) 25.2,5.775 C32.2@26.675,5.775 CN8.8@26.675,7.4 ; U4.48@22.025,42.525 24.15,42.525 C21.2@25.175,43.55 C20.2@26.7,43.55 27.475,44.325 v2(29.1,44.325) ; Q2.2@26.7,46.575 28.075,47.95 R34.2@28.175,47.95 ; R5.2@28.35,12.725 28.375,12.7 v2(29.325,12.7) R6.2@30.275,12.7 ; CN8.8@26.675,7.4 CN8.8@26.675,7.42 CN8.8@26.675,7.4
  Top Layer w0.5: R8.2@1.95,23.525 2.675,24.25 U3.5@3.75,24.25 ; C29.1@4.575,25.775 C29.1@4.575,25.9
  Top Layer w0.6: C12.2@7.7,24.575 C12.2@7.85,24.425 ; C12.2@8.35,24.425 C30.1@10.1,24.425 ; C30.1@10.15,24.425 10.175,24.45 C28.1@12,24.45 ; C28.1@12,24.425 13.8,24.425 13.9,24.525 ; v2(13.9,27.15) v2(13.9,26.55) v2(13.9,25.95) v2(13.9,25.35) 13.9,24.525 ; U5.3@16,26.025 15.4,26.025 13.9,24.525
  Top Layer w0.7: U3.5@3.75,24.25 U3.5@4.075,24.575 ; 4.575,24.575 C29.1@4.575,25.775 ; C29.1@4.575,25.9 6.1,25.9 C12.2@7.6,24.4 ; 7.1,24.4 C12.2@7.6,24.4 ; C12.2@7.75,24.425 7.725,24.4 C12.2@7.6,24.4
  Bottom Layer w0.3: v2(27.25,37.05) 31.15,33.15 CN3.5@32.775,33.15
  other v2: 27.4,47.325
+4V2: C7.1 C8.1 C9.1 C10.1 C13.2 C14.2 C15.1 C16.1 CN2.34 CN2.35 L1.2 R7.2 R8.1 R10.2 TP2.0 U3.1 U3.3 | length 39.2
  Top Layer w0.3: U3.1@3.75,21.55 3.75,22.35 4,22.6 5.4,22.6 5.65,22.35 U3.3@5.65,21.55
  Top Layer w0.4: TP2.0@6.85,16.975 8.3,16.975 v2(8.325,16.95) ; L1.2@10.95,18.2 L1.2@10.95,18.325 ; R10.2@15.425,12.675 v2(15.425,13.725)
  Top Layer w0.5: R7.2@1.95,19.875 R8.1@1.95,21.975 2.375,21.55 U3.1@3.75,21.55 3.75,20.7 4.55,19.9 4.95,19.9 5.7,19.15 v2(6.05,19.15)
  Top Layer w0.6: C16.1@14.225,48.425 C16.1@14.65,48.425 ; CN2.34@15.875,51.4 15.875,50.425 14.65,49.2 C16.1@14.65,48.425 ; CN2.35@16.975,51.4 16.975,49.925 15.475,48.425 C16.1@14.825,48.425 C16.1@14.65,48.425
  Top Layer w0.7: v2(6.05,19.15) v2(6.725,19.15) 7.45,19.15 v2(7.475,19.175) 7.475,19.2 v2(7.95,19.675) 8,19.675 C9.1@9.1,20.775 C8.1@11.2,20.775
  Top Layer w0.8: v2(5.975,46.7) v2(5.975,47.5) ; v2(5.975,48.3) v2(5.975,47.5) ; C15.1@8.975,48.075 C15.1@8.4,47.5 ; C15.1@9,47.5 C15.1@8.5,47.5 C15.1@8.4,47.5 ; C15.1@9.575,48.075 C14.2@11.65,48.075 C13.2@13.15,48.075 14.475,48.075 C16.1@14.825,48.425 ; v2(5.975,47.5) v2(6.675,47.5) C15.1@8.4,47.5
ACT: R17.1 U4.16 | length 6.9
  Top Layer w0.2: R17.1@4.25,35.3 4.25,35.125 4.825,34.55 9.325,34.55 9.8,35.025 U4.16@10.525,35.025
AFBUS_BUSY: R2.2 U1.3 U4.30 | length 27.9
  Top Layer w0.2: U4.30@19.025,33.025 19.025,32.005 20.975,30.055 v2(20.975,15.1)
  Top Layer w0.3: R2.2@19.075,6.725 19.075,7.35 20.2,8.475 20.2,10.95 20.975,11.725 U1.3@20.975,12.525 v2(20.975,13.425)
  Bottom Layer w0.2: v2(20.975,13.425) v2(20.975,15.1)
AFBUS_INT: R1.2 U1.1 U4.29 | length 32.1
  Top Layer w0.2: U4.29@18.525,33.025 18.525,31.975 20.5,30 20.5,15.6 20.303,15.403 20.303,14.053
  Top Layer w0.3: R1.2@17.6,6.725 17.6,6.875 19.7,8.975 19.7,13.45 20.303,14.053 22.322,14.053 22.875,13.5 U1.1@22.875,12.525
AFBUS_SCL: R3.2 R6.1 U1.4 U4.41 | length 48
  Top Layer w0.2: U4.41@22.025,39.025 20.8,39.025 20.25,38.475 20.25,34.325 25.15,29.425 v2@25.15,13.7 ; v2(25.35,13.525) 25.35,12.725 26.175,11.9 27.275,11.9 27.55,12.175 27.55,13.1 27.95,13.5 31.025,13.5 R6.1@31.825,12.7
  Top Layer w0.3: v2(20.975,10.8) U1.4@20.975,9.825 20.975,7.765 22.015,6.725 R3.2@22.025,6.725
  Bottom Layer w0.2: v2(20.975,10.8) 22.625,10.8 v2(25.35,13.525)
AFBUS_SDA: R4.2 R5.1 U1.6 U4.40 | length 41.3
  Top Layer w0.2: U4.40@22.025,38.525 20.95,38.525 20.65,38.225 20.65,34.475 25.525,29.6 25.525,15.125 26.325,14.325 v2(26.325,13.475) 26.8,13 R5.1@26.8,12.725
  Top Layer w0.3: R4.2@23.5,6.725 R4.2@23.575,6.725 24.725,6.725 25.4,7.4 25.4,9.125 24.7,9.825 U1.6@22.875,9.825 22.875,9.95 v2(23.55,10.625)
  Bottom Layer w0.2: v2(23.55,10.625) 26.325,13.4 v2(26.325,13.475)
BOOT: R16.2 U4.60 | length 7.3
  Top Layer w0.2: R16.2@8.65,44.175 9.5,43.325 14.225,43.325 14.525,43.625 U4.60@14.525,44.525
GANT: Q2.3 R25.2 | length 1.3
  Top Layer w0.5: Q2.3@25.75,48.875 26.225,49.35 R25.2@26.825,49.35